# KiCad board GaussSpeedway.kicad_pcb (continued)
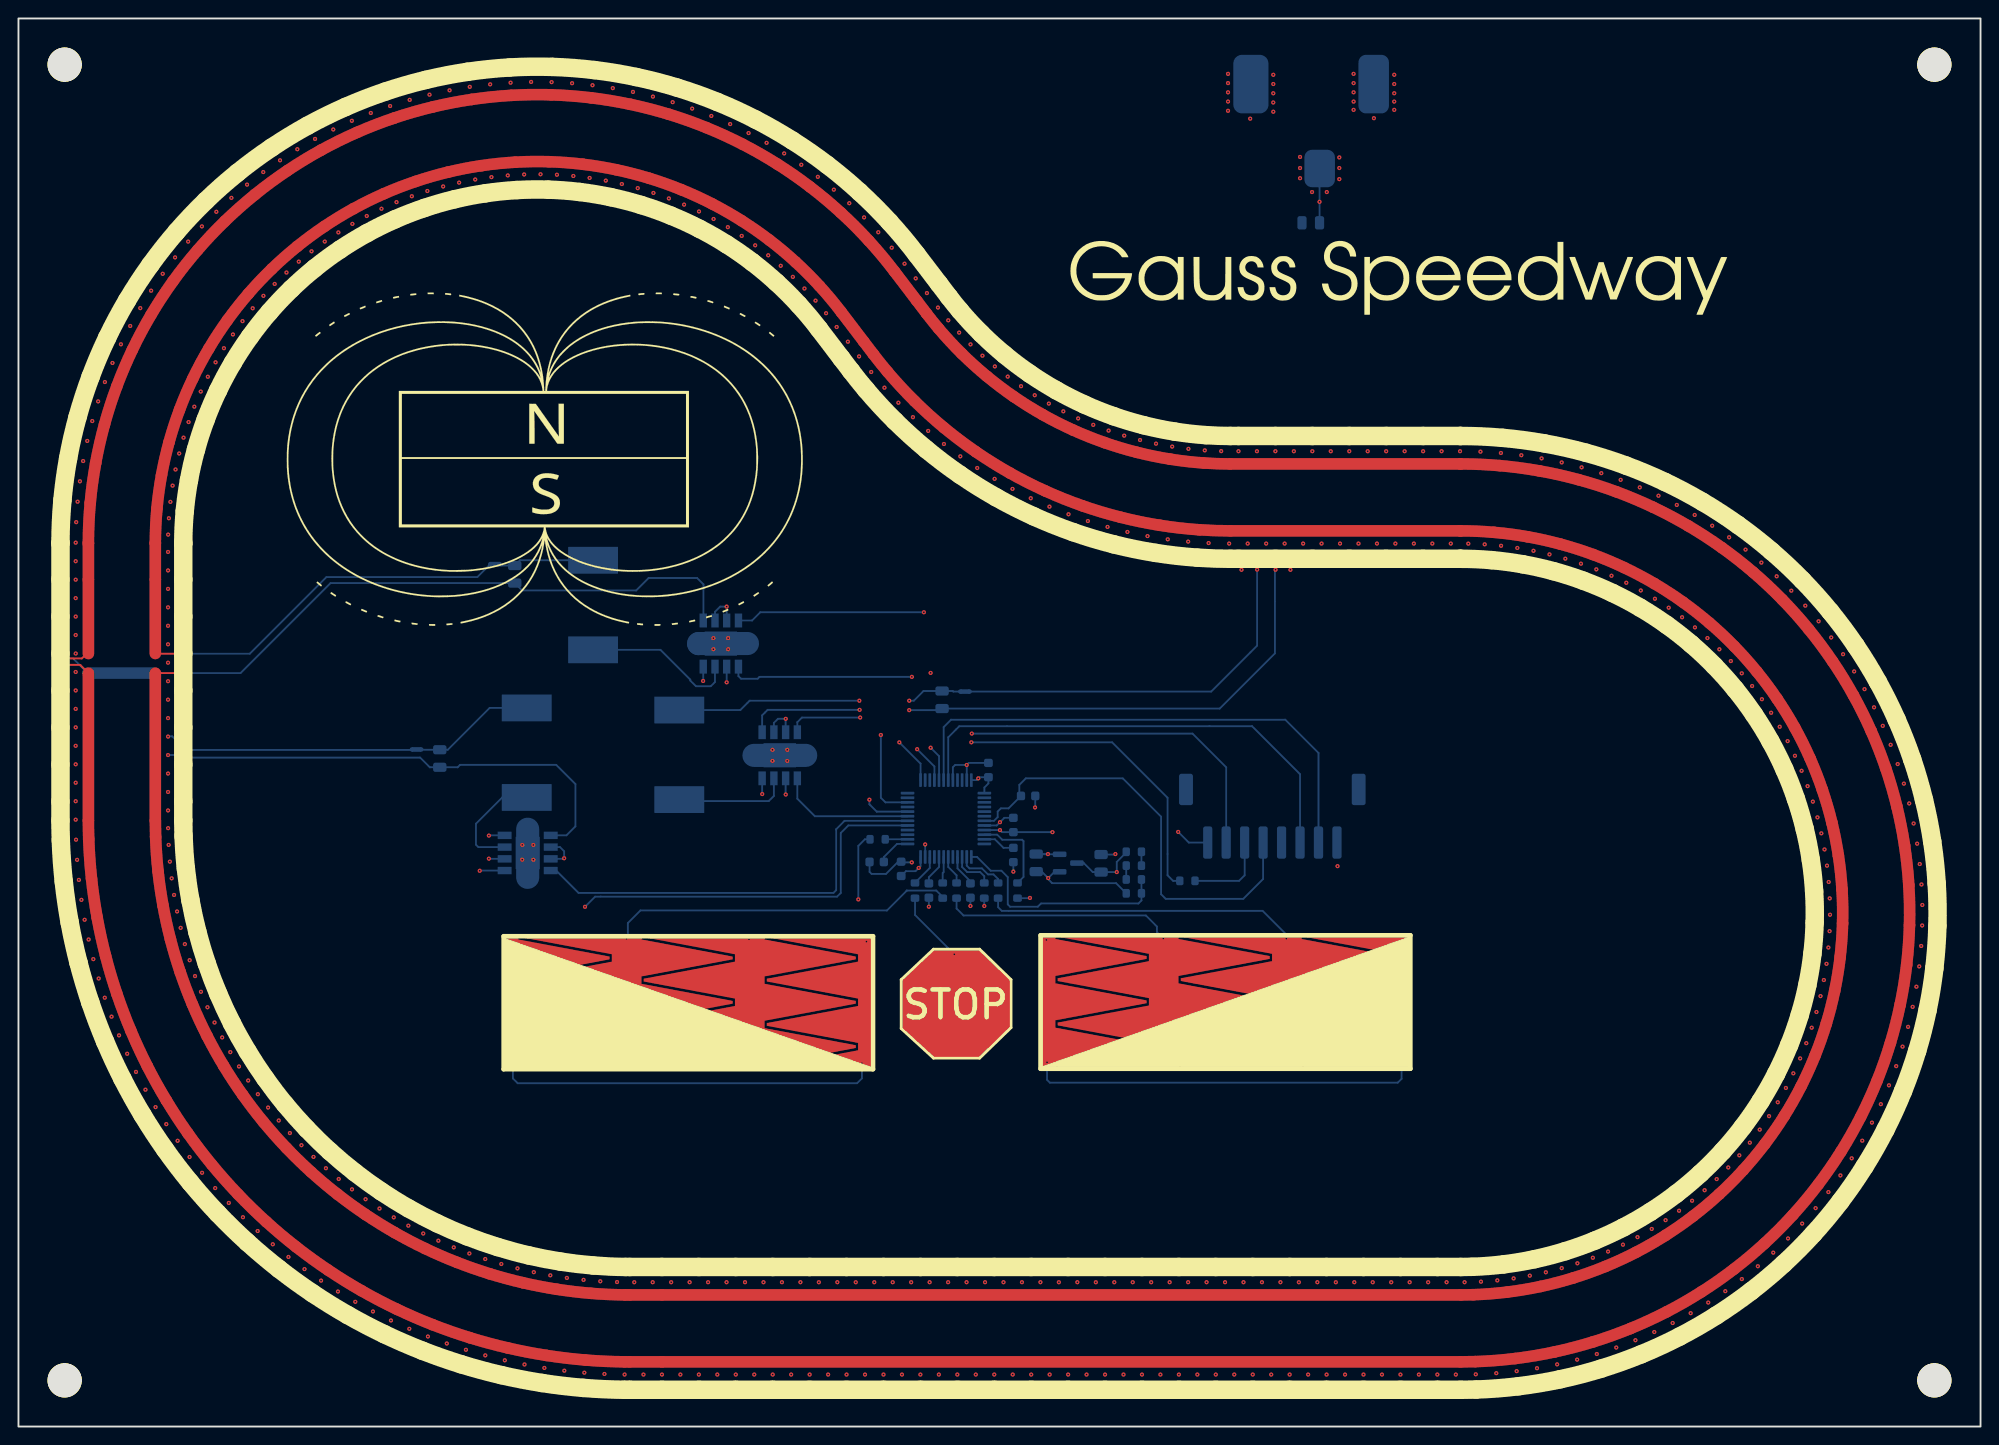
[diagram p0: board, top side]
## Routing (per net, layer and track width the routed paths; a pad name or vN(x,y) marks a point on that pad's centre or on a via; arc(x,y) is an arc through that point) (continued)
  In2.Cu w0.45: v1(115.68,5.63) v1(117.68,5.63) ; v1(139.67,5.63) v1(141.67,5.63) ; v1(123.68,5.63) v1(125.68,5.63) ; v1(87.69,5.63) v1(89.69,5.63) ; v1(143.67,5.63) v1(145.67,5.63) ; v1(154.13,105.63) v1(152.13,105.63) ; v1(134.13,105.63) v1(132.13,105.63) ; 119.68,5.63 121.68,5.63 ; v1(103.68,5.63) v1(105.68,5.63) ; v1(97.18,124.35) 95.97,125.94 ; v1(135.68,5.63) 137.67,5.63 ; v1(131.68,5.63) v1(133.68,5.63) ; v1(79.69,5.63) 81.69,5.63 ; v1(75.69,5.63) v1(77.69,5.63) ; v1(142.13,105.63) 140.13,105.63 ; v1(107.68,5.63) 109.68,5.63 ; v1(6.2,93.72) v1(6.2,91.72) ; v1(6.2,85.72) v1(6.2,83.72) ; v1(150.13,105.63) 148.13,105.63 ; v1(111.68,5.63) v1(113.68,5.63) ; 147.67,5.63 149.67,5.63 ; v1(138.13,105.63) v1(136.13,105.63) ; v1(98.39,122.76) 99.44,121.38 arc(99.64,121.12) v1(99.58,121.19) ; v1(6.2,69.73) v1(6.2,67.73) ; v1(6.2,81.72) 6.2,79.72 ; 71.69,5.63 73.69,5.63 ; 6.2,89.72 6.2,87.72 ; v1(6.2,65.73) 6.2,65.63 arc(6.21,64.5) v1(6.23,63.55) ; 127.68,5.63 129.68,5.63 ; v1(156.13,105.63) 156.2,105.63 arc(156.91,105.62) v1(158.34,105.58) ; 99.68,5.63 101.68,5.63 ; v1(151.67,5.63) v1(153.67,5.63) ; v1(155.67,5.63) 156.2,5.63 arc(157.11,5.64) v1(157.83,5.66) ; v1(95.68,5.63) v1(97.68,5.63) ; v1(83.69,5.63) v1(85.69,5.63) ; v1(6.2,73.72) 6.2,71.73 ; v1(146.13,105.63) v1(144.13,105.63) ; v1(6.2,77.72) v1(6.2,75.72) ; v1(67.69,5.63) v1(69.69,5.63) ; 91.68,5.63 93.68,5.63 ; 13.75,36.48 arc(14.44,35.28) 14.85,34.6 ; v1(34.6,14.62) arc(35.79,13.91) v1(36.48,13.51) ; v1(55.52,145.63) arc(54.04,145.58) 53.3,145.55 ; v1(184.86,14.66) arc(186.06,15.52) 186.65,15.97 ; v1(197.33,27.19) arc(198.15,28.42) v1(198.55,29.05) ; v1(177.16,10.24) arc(178.49,10.88) 179.16,11.21 ; 10.08,44.39 arc(10.59,43.1) v1(10.89,42.37) ; 46.69,144.72 arc(45.24,144.42) 44.52,144.25 ; v1(130.26,105.64) arc(129.58,105.66) v1(128.48,105.73) ; v1(38.16,142.26) arc(36.79,141.71) v1(36.11,141.42) ; v1(194.64,23.66) arc(195.57,24.81) v1(196.02,25.4) ; v1(173.05,8.56) arc(174.43,9.07) 175.12,9.35 ; 91.58,130.95 arc(90.53,131.98) v1(89.98,132.49) ; v1(188.38,17.36) arc(189.5,18.33) 190.05,18.83 ; v1(6.35,61.38) arc(6.46,59.99) 6.54,59.2 ; v1(59.12,6.05) arc(60.49,5.9) 61.29,5.83 ; 7.45,106.75 arc(7.14,105.3) v1(7,104.57) ; v1(8.69,48.52) arc(9.1,47.2) 9.35,46.45 ; v1(59.96,145.49) arc(58.49,145.58) 57.74,145.61 ; 110.07,111.7 arc(109.57,112.01) 108.58,112.67 ; v1(191.65,20.37) arc(192.68,21.43) 193.18,21.98 ; v1(175.59,101.72) arc(174.22,102.27) v1(173.53,102.53) ; 107.14,113.71 arc(106.67,114.07) 105.75,114.81 ; v1(164.46,6.32) arc(165.91,6.58) v1(166.64,6.73) ; v1(181.11,12.28) arc(182.38,13.03) 183.01,13.43 ; v1(46.39,8.99) arc(47.7,8.55) v1(48.46,8.31) ; v1(72.96,142.74) arc(71.56,143.21) 70.85,143.43 ; 119.76,107.32 arc(119.19,107.49) v1(118.07,107.87) ; v1(179.61,99.81) arc(178.29,100.48) v1(177.62,100.81) ; 77.08,141.06 arc(75.73,141.66) v1(75.04,141.94) ; v1(113.16,109.95) arc(112.64,110.22) 111.6,110.79 ; v1(183.44,97.56) arc(182.18,98.35) 181.55,98.73 ; v1(34.09,140.48) arc(32.78,139.81) v1(32.12,139.45) ; v1(38.39,12.46) arc(39.63,11.83) v1(40.34,11.49) ; 198.82,81.78 arc(198.02,83.03) 197.61,83.65 ; 6.82,57.04 arc(7.03,55.67) v1(7.17,54.89) ; v1(64.37,144.96) arc(62.91,145.18) v1(62.17,145.27) ; 123.2,106.45 arc(122.63,106.57) v1(121.47,106.84) ; v1(88.31,133.96) arc(87.16,134.89) 86.58,135.34 ; v1(42.33,10.58) arc(43.61,10.05) 44.34,9.75 ; v1(7.6,52.75) arc(7.91,51.4) v1(8.1,50.63) ; 16.01,32.75 arc(16.78,31.6) v1(17.24,30.95) ; v1(63.46,5.69) arc(64.85,5.65) v1(65.64,5.63) ; v1(104.4,115.98) arc(103.97,116.38) v1(103.11,117.2) ; 205.25,65.31 arc(204.94,66.76) v1(204.77,67.48) ; 10.18,115.19 arc(9.62,113.82) 9.36,113.13 ; v1(196.33,85.46) arc(195.43,86.63) 194.96,87.21 ; v1(16.96,126.62) arc(16.06,125.45) v1(15.62,124.85) ; v1(18.53,29.19) arc(19.38,28.1) 19.89,27.48 ; v1(187.05,94.98) arc(185.87,95.87) 185.27,96.31 ; v1(168.81,7.25) arc(170.23,7.64) 170.94,7.85 ; 167.14,104.42 arc(165.69,104.72) 164.96,104.86 ; v1(68.72,144.04) arc(67.28,144.39) 66.55,144.55 ; v1(11.77,40.37) arc(12.37,39.12) v1(12.73,38.41) ; 193.52,88.9 arc(192.52,89.99) 192.01,90.53 ; v1(30.98,17.05) arc(32.11,16.25) v1(32.77,15.8) ; v1(27.55,19.74) arc(28.62,18.86) 29.24,18.37 ; v1(8.63,111.03) arc(8.19,109.62) 7.99,108.9 ; v1(202.77,73.83) arc(202.21,75.2) v1(201.91,75.88) ; 24.31,22.67 arc(25.32,21.71) 25.9,21.17 ; 205.92,60.92 arc(205.74,62.39) 205.63,63.12 ; 51.09,145.37 arc(49.62,145.2) 48.88,145.09 ; v1(26.51,135.86) arc(25.34,134.97) 24.76,134.51 ; v1(199.69,30.96) arc(200.4,32.25) 200.74,32.91 ; v1(203.36,39.03) arc(203.83,40.43) v1(204.05,41.15) ; v1(50.56,7.7) arc(51.9,7.36) v1(52.67,7.17) ; v1(14.37,123.02) arc(13.57,121.77) 13.19,121.13 ; 23.06,133.07 arc(21.97,132.08) 21.43,131.56 ; v1(42.37,143.68) arc(40.96,143.25) 40.25,143.02 ; v1(12.1,119.2) arc(11.42,117.88) 11.1,117.21 ; v1(6.66,102.37) arc(6.48,100.91) 6.4,100.17 ; 205.56,47.63 arc(205.77,49.1) 205.86,49.83 ; v1(200.97,77.89) arc(200.29,79.21) v1(199.93,79.86) ; 30.2,138.34 arc(28.95,137.55) 28.33,137.14 ; 201.7,34.91 arc(202.3,36.27) v1(202.58,36.96) ; 94.58,127.67 arc(93.62,128.79) v1(93.12,129.35) ; v1(126.71,105.89) arc(126.13,105.96) 124.95,106.13 ; v1(21.3,25.83) arc(22.23,24.8) v1(22.78,24.22) ; 19.87,129.98 arc(18.87,128.89) 18.38,128.33 ; 84.78,136.65 arc(83.56,137.48) v1(82.93,137.88) ; 54.81,6.72 arc(56.17,6.47) v1(56.96,6.35) ; v1(204.65,43.29) arc(204.99,44.72) 205.15,45.45 ; v1(171.43,103.25) arc(170.01,103.68) 169.3,103.88 ; v1(206.19,56.49) arc(206.14,57.96) v1(206.1,58.71) ; v1(160.05,5.78) arc(161.52,5.91) 162.26,6 ; 204.2,69.63 arc(203.76,71.04) 203.53,71.75 ; 81.03,139.03 arc(79.73,139.74) v1(79.07,140.09) ; 206.07,52.05 arc(206.15,53.52) v1(206.18,54.27) ; v1(190.42,92.08) arc(189.33,93.08) v1(188.77,93.57) ; v1(101.88,118.48) arc(101.48,118.91) v1(100.7,119.81) ; v1(162.77,105.2) arc(161.3,105.37) 160.56,105.44 ; v1(116.4,108.49) arc(115.86,108.71) v1(114.77,109.18) ; v1(6.25,97.95) arc(6.21,96.47) v1(6.2,95.73)
  Bottom w0.2: v1(134.15,92.8) 134.15,84.57 129.18,79.6 NT1.2 ; v1(96.47,77.59) 99.86,77.59 C8.1 130.1,77.76 136.08,83.74 136.08,92.73 v1(136.15,92.8) ; U5.1 80.54,77.03 81.14,77.62 v1(91.1,77.62)
  vias: v1(6.2,87.72) v1(6.2,79.72) v1(6.2,71.72) v1(6.4,100.17) v1(6.54,59.2) v1(7.99,108.9) v1(9.35,46.44) v1(9.36,113.12) v1(11.1,117.21) v1(13.19,121.13) v1(14.85,34.6) v1(18.38,128.33) v1(19.89,27.48) v1(21.43,131.56) v1(24.75,134.51) v1(25.9,21.17) v1(28.33,137.14) v1(29.24,18.36) v1(40.25,143.02) v1(44.35,9.75) v1(44.52,144.25) v1(48.88,145.09) v1(53.3,145.55) v1(57.74,145.61) v1(61.29,5.83) v1(66.55,144.55) v1(70.85,143.43) v1(73.69,5.63) v1(81.69,5.63) v1(86.57,135.35) v1(93.69,5.63) v1(95.96,125.94) v1(101.68,5.63) v1(105.75,114.82) v1(108.58,112.67) v1(109.68,5.63) v1(111.6,110.79) v1(121.68,5.63) v1(124.95,106.13) v1(129.68,5.63) v1(137.68,5.63) v1(140.13,105.63) v1(148.13,105.63) v1(149.67,5.63) v1(160.56,105.44) v1(162.26,6) v1(164.96,104.86) v1(169.29,103.88) v1(170.94,7.85) v1(175.13,9.35) v1(179.16,11.21) v1(181.55,98.73) v1(183.01,13.43) v1(185.27,96.31) v1(186.65,15.97) v1(190.05,18.83) v1(192,90.53) v1(193.18,21.98) v1(194.96,87.21) v1(197.61,83.65) v1(200.74,32.91) v1(203.53,71.75) v1(205.15,45.45) v1(205.63,63.13) v1(205.86,49.84)
/1B_N: length 12.2
  Bottom w0.2: L2.1 52.39,68.13 49.55,65.29 49.55,63.01 49.81,62.75 U3.7
/1B_P: length 3456
  In1.Cu w0.3: 5.55,82.73 16.2,82.73
  In1.Cu w0.45: v1(160.57,95.39) 161.73,105.98 arc(160.69,106.08) 160.61,106.09 arc(159.98,106.14) 159.49,106.17 v1(158.8,95.55) ; v1(179.85,23.37) 186.15,14.78 ; v1(109.64,100.54) 114.24,110.15 arc(114.69,109.94) 115.03,109.78 arc(115.79,109.44) 115.84,109.43 ; v1(194.84,65.97) 205.13,68.73 arc(205.25,68.25) 205.4,67.64 arc(205.42,67.57) 205.66,66.54 v1(195.26,64.25) ; v1(191.42,36.67) 200.8,31.62 ; v1(87.47,120.58) 95.79,127.22 arc(96.1,126.83) 96.48,126.33 97.09,125.54 v1(88.62,119.08) ; v1(167.53,93.99) 170.55,104.2 arc(169.54,104.49) 169.47,104.51 arc(168.85,104.67) 168.38,104.79 v1(165.82,94.46) ; v1(44.29,133.81) 41.11,143.98 arc(40.11,143.66) 40.04,143.63 arc(39.44,143.43) 38.98,143.26 v1(42.6,133.25) ; v1(94.68,15.63) 94.68,4.98 92.68,4.98 ; v1(63.61,134.94) 65.58,145.4 arc(66.07,145.31) 66.69,145.18 arc(66.76,145.17) 67.79,144.94 v1(65.35,134.57) ; v1(49.47,135.06) 47.67,145.56 arc(48.16,145.64) 48.79,145.73 arc(48.86,145.75) 49.9,145.89 v1(51.22,135.32) ; v1(156.62,15.63) 156.73,4.98 arc(157.43,4.99) 157.86,5.01 arc(158.49,5.03) 158.98,5.06 v1(158.39,15.69) ; v1(110.68,15.63) 110.68,4.98 108.68,4.98 v1(108.68,15.63) ; v1(193.12,71.02) 202.95,75.11 arc(202.54,76.08) 202.51,76.15 arc(202.25,76.72) 202.04,77.17 v1(192.4,72.64) ; v1(195.87,60.75) 206.43,62.11 arc(206.29,63.15) 206.28,63.22 arc(206.18,63.85) 206.1,64.33 v1(195.6,62.5) ; v1(196.17,57.2) 206.81,57.62 arc(206.76,58.67) 206.75,58.75 arc(206.71,59.38) 206.67,59.87 v1(196.06,58.98) ; v1(16.21,64.81) 5.56,64.63 arc(5.57,63.92) 5.58,63.53 arc(5.61,62.92) 5.63,62.43 v1(16.27,62.99) ; v1(191.61,74.23) 201.04,79.19 arc(200.54,80.11) 200.5,80.18 arc(200.19,80.73) 199.95,81.15 ; 98.3,123.95 99.51,122.36 v1(91.04,115.9) ; v1(184.22,84.18) 191.68,91.78 arc(192.03,91.43) 192.47,90.98 arc(192.52,90.93) 193.25,90.17 ; v1(52.99,135.5) 52.14,146.12 arc(52.63,146.15) 53.26,146.19 arc(53.33,146.2) 54.39,146.25 v1(54.77,135.6) ; 98.3,123.95 v1(89.83,117.49) ; v1(126.68,95.84) 127.66,106.44 arc(128.15,106.4) 128.53,106.37 arc(129.25,106.33) 129.4,106.32 v1(128.9,95.69) ; v1(141.13,95.63) 141.13,106.28 139.13,106.28 v1(139.13,95.63) ; v1(29.4,31.78) 21.56,24.58 arc(22.2,23.89) 22.31,23.77 arc(22.73,23.33) 23.08,22.98 v1(30.65,30.47) ; v1(193.77,69.36) 203.77,73.02 arc(203.94,72.55) 204.15,71.96 arc(204.17,71.89) 204.5,70.89 ; v1(88.69,15.63) 88.69,4.98 90.68,4.98 ; v1(16.2,68.73) 5.55,68.73 5.55,66.73 v1(16.2,66.73) ; v1(150.67,15.63) 150.67,4.98 148.67,4.98 ; v1(175.71,90.55) 180.9,99.85 arc(181.33,99.61) 181.88,99.29 arc(181.94,99.25) 182.84,98.71 ; v1(31.74,127.28) 25.23,135.71 ; v1(78.69,15.63) 78.69,4.98 76.69,4.98 v1(76.69,15.63) ; v1(79.79,127.93) 86.07,136.53 arc(86.46,136.24) 86.97,135.86 arc(87.03,135.82) 87.86,135.17 v1(81.2,126.85) ; v1(16.2,74.72) 5.55,74.72 5.55,76.72 v1(16.2,76.72) ; v1(187.51,30.74) 195.85,24.11 ; v1(17.41,105.39) 7.08,107.98 arc(7.2,108.46) 7.36,109.07 arc(7.38,109.14) 7.68,110.15 ; v1(19.12,48.78) 9.09,45.2 arc(8.93,45.66) 8.73,46.24 arc(8.68,46.39) 8.39,47.29 v1(18.54,50.51) ; v1(96.68,15.63) 96.68,4.98 98.68,4.98 v1(98.68,15.63) ; v1(70.69,15.63) 70.69,4.98 68.69,4.98 v1(68.69,15.63) ; v1(18.43,108.79) 8.37,112.29 arc(8.53,112.76) 8.75,113.35 arc(8.78,113.42) 9.16,114.4 v1(19.05,110.46) ; v1(138.67,15.63) 138.67,4.98 136.68,4.98 v1(136.68,15.63) ; v1(16.59,59.37) 6.03,58.04 arc(5.97,58.53) 5.9,59.13 arc(5.88,59.29) 5.79,60.23 v1(16.4,61.18) ; v1(22.25,116.79) 13.22,122.42 arc(12.67,121.53) 12.63,121.46 arc(12.31,120.92) 12.07,120.49 v1(21.35,115.26) ; v1(30.36,126.16) 23.48,134.29 arc(23.86,134.61) 24.35,135.01 arc(24.4,135.06) 25.23,135.71 ; v1(135.13,95.63) 135.13,106.28 137.13,106.28 v1(137.13,95.63) ; v1(112.68,15.63) 112.68,4.98 114.68,4.98 v1(114.68,15.63) ; v1(39.32,131.89) 34.82,141.55 arc(35.27,141.75) 35.85,142.01 arc(35.91,142.04) 36.88,142.45 v1(40.94,132.61) ; v1(36.16,130.25) 30.83,139.47 arc(31.26,139.71) 31.81,140.02 arc(31.87,140.06) 32.8,140.55 ; v1(50.55,18.14) 47.22,8.03 arc(48.12,7.74) 48.27,7.69 arc(48.85,7.51) 49.33,7.37 v1(52.29,17.6) ; v1(174.13,91.38) 178.91,100.9 arc(177.97,101.36) 177.9,101.4 arc(177.33,101.66) 176.88,101.87 v1(172.53,92.14) ; v1(117.95,97.43) 120.78,107.7 arc(121.26,107.57) 121.63,107.47 arc(122.43,107.28) 122.48,107.27 ; v1(22.94,40.55) 13.73,35.21 arc(14.21,34.4) 14.29,34.26 arc(14.61,33.74) 14.87,33.32 v1(23.88,39) ; v1(29.03,124.99) 21.79,132.8 arc(21.03,132.08) 20.98,132.03 arc(20.52,131.59) 20.18,131.24 ; v1(37.59,24.62) 31.5,15.89 arc(32.28,15.35) 32.41,15.27 arc(32.91,14.93) 33.33,14.66 v1(39.1,23.61) ; v1(128.68,15.63) 128.68,4.98 ; v1(151.13,95.63) 151.13,106.28 153.13,106.28 v1(153.13,95.63) ; v1(16.2,94.72) 5.55,94.72 5.55,95.63 arc(5.55,95.67) 5.55,95.73 arc(5.55,95.8) 5.56,96.86 v1(16.21,96.6) ; v1(70.44,133.01) 74.24,142.96 arc(74.7,142.78) 75.28,142.55 arc(75.35,142.52) 76.32,142.11 ; v1(186.38,29.37) 194.41,22.38 arc(194.08,22.01) 193.66,21.54 arc(193.61,21.49) 192.9,20.72 ; v1(144.67,15.63) 144.67,4.98 146.67,4.98 ; v1(169.22,93.45) 172.69,103.52 arc(173.16,103.36) 173.75,103.14 arc(173.82,103.12) 174.8,102.74 ; v1(56.54,135.63) 56.64,146.28 arc(57.13,146.27) 57.76,146.26 arc(57.83,146.25) 58.89,146.21 v1(58.32,135.57) ; v1(86.33,121.94) 94.35,128.95 arc(93.65,129.73) 93.6,129.79 arc(93.17,130.25) 92.83,130.61 ; v1(167.14,17.16) 170.06,6.91 arc(171.06,7.21) 171.13,7.23 arc(171.74,7.42) 172.21,7.58 v1(168.84,17.68) ; v1(196.15,53.65) 206.79,53.12 arc(206.83,54.18) 206.83,54.25 arc(206.84,54.88) 206.85,55.37 v1(196.2,55.43) ; v1(116.68,15.63) 116.68,4.98 118.68,4.98 ; 163.46,5.5 v1(161.93,16.04) ; 197.51,84.94 v1(188.82,78.77) ; v1(17.88,107.1) 7.68,110.15 ; v1(84.69,15.63) 84.69,4.98 86.69,4.98 v1(86.69,15.63) ; v1(185.18,28.06) 192.9,20.72 ; v1(122.68,15.63) 122.68,4.98 120.68,4.98 ; 92.83,130.61 v1(85.13,123.25) ; v1(16.69,101.9) 6.18,103.58 arc(6.26,104.06) 6.36,104.68 arc(6.38,104.76) 6.58,105.79 v1(17.01,103.65) ; 29.71,17.18 v1(36.12,25.69) ; 5.55,90.72 5.55,92.72 v1(16.2,92.72) ; v1(131.12,95.63) 131.15,106.28 arc(131.21,106.28) 131.25,106.28 133.13,106.28 v1(133.13,95.63) ; v1(183.93,26.8) 191.31,19.12 arc(190.95,18.78) 190.49,18.35 arc(190.43,18.3) 189.65,17.6 v1(182.62,25.6) ; v1(187.76,80.2) 196.17,86.74 arc(195.51,87.57) 195.47,87.62 arc(195.06,88.11) 194.74,88.49 v1(186.64,81.58) ; 80.69,4.98 82.69,4.98 v1(82.69,15.63) ; v1(57.6,16.37) 55.77,5.88 arc(56.7,5.73) 56.86,5.7 arc(57.46,5.61) 57.95,5.54 v1(59.4,16.09) ; v1(188.59,32.16) 197.21,25.91 arc(196.92,25.51) 196.54,25 arc(196.49,24.94) 195.85,24.11 ; v1(190.54,35.12) 199.69,29.66 arc(199.43,29.24) 199.1,28.7 arc(199.06,28.64) 198.49,27.76 v1(189.6,33.62) ; 43.28,144.6 v1(45.99,134.31) ; 5.55,88.72 5.55,86.72 v1(16.2,86.72) ; v1(19.77,47.08) 9.87,43.13 arc(10.23,42.26) 10.29,42.11 arc(10.53,41.56) 10.73,41.1 v1(20.47,45.41) ; v1(34.65,129.33) 28.91,138.3 ; v1(100.23,106.41) 106.84,114.77 ; v1(33.17,128.34) 27.04,137.04 arc(27.44,137.33) 27.97,137.68 arc(28.03,137.72) 28.91,138.3 ; v1(72.69,15.63) 72.69,4.98 ; v1(16.2,72.72) 5.55,72.72 5.55,70.73 v1(16.2,70.73) ; v1(25.37,121.11) 17.16,127.9 arc(17.47,128.28) 17.89,128.76 arc(17.93,128.81) 18.63,129.6 v1(26.53,122.46) ; 72.69,4.98 74.69,4.98 v1(74.69,15.63) ; v1(24.88,37.47) 16.08,31.48 arc(16.62,30.7) 16.71,30.57 arc(17.06,30.08) 17.35,29.68 v1(25.93,35.99) ; v1(173.77,19.7) 178.45,10.13 arc(179.39,10.6) 179.46,10.64 arc(180.02,10.93) 180.45,11.16 v1(175.35,20.51) ; 199.95,81.15 v1(190.75,75.79) ; v1(152.67,15.63) 152.67,4.98 154.67,4.98 v1(154.67,15.63) ; v1(181.57,86.55) 188.33,94.78 arc(188.71,94.47) 189.19,94.06 arc(189.25,94.01) 190.04,93.32 ; v1(64.83,15.65) 64.54,5 arc(65.48,4.98) 65.64,4.98 arc(65.95,4.98) 66.2,4.98 66.69,4.98 v1(66.69,15.63) ; v1(16.45,100.14) 5.87,101.34 ; v1(160.17,15.83) 161.22,5.23 arc(162.27,5.35) 162.34,5.35 arc(162.97,5.43) 163.46,5.5 ; v1(194.34,67.68) 204.5,70.89 ; v1(48.84,18.74) 45.14,8.75 arc(44.68,8.93) 44.11,9.15 arc(43.96,9.2) 43.09,9.56 v1(47.14,19.4) ; v1(182.92,85.39) 190.04,93.32 ; v1(27.03,34.55) 18.69,27.93 arc(19.28,27.19) 19.38,27.07 arc(19.77,26.6) 20.09,26.23 ; 7.76,49.4 v1(18.02,52.25) ; v1(170.51,18.28) 174.32,8.33 arc(175.3,8.72) 175.37,8.75 arc(175.96,8.99) 176.41,9.19 v1(172.16,18.95) ; v1(195.17,46.62) 205.55,44.22 ; v1(143.13,95.63) 143.13,106.28 145.13,106.28 v1(145.13,95.63) ; v1(60.09,135.44) 61.13,146.04 arc(61.62,145.99) 62.25,145.92 arc(62.32,145.91) 63.36,145.77 v1(61.86,135.23) ; 100.68,4.98 102.68,4.98 v1(102.68,15.63) ; v1(21.24,43.76) 11.66,39.1 arc(12.08,38.26) 12.15,38.12 arc(12.43,37.57) 12.66,37.14 ; v1(42.23,21.75) 37.12,12.41 arc(36.69,12.64) 36.16,12.94 arc(36.02,13.02) 35.2,13.5 v1(40.65,22.65) ; v1(16.2,78.72) 5.55,78.72 5.55,80.72 ; 149.13,106.28 147.13,106.28 v1(147.13,95.63) ; v1(95.3,110.88) 102.96,118.28 arc(103.3,117.93) 103.57,117.66 arc(104.16,117.09) 104.2,117.05 v1(96.88,109.32) ; v1(16.29,98.37) 5.67,99.1 arc(5.7,99.6) 5.76,100.23 arc(5.76,100.3) 5.87,101.35 ; v1(120.1,96.89) 122.48,107.27 ; v1(113.73,98.8) 117.46,108.78 arc(117.92,108.61) 118.28,108.48 arc(119.06,108.22) 119.11,108.2 ; v1(92.69,15.63) 92.69,4.98 ; v1(78.33,128.95) 84.22,137.82 arc(83.34,138.39) 83.28,138.43 arc(82.74,138.77) 82.32,139.02 v1(76.83,129.9) ; v1(37.72,131.11) 32.8,140.55 ; v1(155.13,95.63) 155.13,106.28 156.2,106.28 arc(156.24,106.28) 157.24,106.27 v1(157.02,95.62) ; v1(82.56,125.71) 89.58,133.72 arc(89.95,133.4) 90.42,132.97 arc(90.47,132.92) 91.24,132.2 v1(83.87,124.51) ; v1(140.67,15.63) 140.67,4.98 142.67,4.98 v1(142.67,15.63) ; v1(194.73,44.9) 204.99,42.04 arc(204.86,41.56) 204.68,40.96 arc(204.66,40.89) 204.34,39.88 v1(194.22,43.2) ; v1(192.23,38.25) 201.82,33.63 arc(201.6,33.18) 201.32,32.62 arc(201.29,32.55) 200.8,31.62 ; v1(17.57,54.01) 7.21,51.53 arc(7.44,50.62) 7.48,50.46 arc(7.63,49.88) 7.76,49.4 ; v1(73.7,131.6) 78.37,141.17 arc(78.81,140.95) 79.37,140.67 arc(79.44,140.63) 80.37,140.14 ; v1(34.69,26.81) 27.98,18.54 arc(28.71,17.95) 28.84,17.85 arc(29.32,17.48) 29.71,17.18 ; v1(124.68,15.63) 124.68,4.98 126.68,4.98 v1(126.68,15.63) ; v1(20.51,113.69) 11.01,118.5 arc(10.54,117.56) 10.51,117.49 arc(10.24,116.92) 10.04,116.47 v1(19.74,112.09) ; v1(103.84,103.81) 109.68,112.72 ; 20.09,26.23 v1(28.19,33.14) ; 12.66,37.14 v1(22.06,42.14) ; v1(17.18,55.78) 6.74,53.69 arc(6.64,54.17) 6.53,54.77 arc(6.5,54.93) 6.34,55.86 v1(16.85,57.57) ; v1(178.73,88.68) 184.73,97.48 arc(185.13,97.2) 185.65,96.84 arc(185.71,96.8) 186.56,96.17 ; 128.68,4.98 130.68,4.98 v1(130.68,15.63) ; v1(67.07,134.12) 69.96,144.37 arc(70.44,144.24) 71.04,144.06 arc(71.11,144.03) 72.12,143.71 v1(68.77,133.6) ; v1(120.68,15.63) 120.68,4.98 ; v1(193.63,41.52) 203.59,37.76 arc(203.42,37.3) 203.18,36.71 arc(203.16,36.65) 202.75,35.67 v1(192.96,39.87) ; v1(33.3,27.98) 26.29,19.96 arc(25.92,20.29) 25.47,20.69 arc(25.35,20.8) 24.66,21.44 ; v1(196.02,51.88) 206.63,50.88 arc(206.58,50.39) 206.51,49.76 arc(206.5,49.69) 206.36,48.64 v1(195.82,50.11) ; v1(54.04,17.13) 51.46,6.8 ; v1(92.36,114.21) 100.64,120.9 arc(100.95,120.52) 101.2,120.23 arc(101.74,119.6) 101.77,119.57 v1(93.79,112.51) ; v1(105.72,102.64) 111.16,111.8 arc(111.58,111.55) 111.92,111.36 arc(112.64,110.96) 112.68,110.94 v1(107.66,101.55) ; v1(195.53,48.36) 206,46.42 arc(205.91,45.94) 205.79,45.32 arc(205.77,45.25) 205.55,44.22 ; v1(16.2,80.72) 5.55,80.72 ; v1(164.08,94.85) 166.18,105.29 arc(165.15,105.48) 165.08,105.5 arc(164.45,105.6) 163.97,105.68 ; v1(61.2,15.88) 60.14,5.28 arc(61.08,5.2) 61.23,5.18 arc(61.84,5.14) 62.33,5.1 v1(63.01,15.73) ; v1(75.28,130.78) 80.37,140.14 ; v1(31.95,29.2) 24.66,21.44 ; v1(45.48,20.13) 41.06,10.43 arc(40.61,10.64) 40.06,10.9 arc(39.92,10.97) 39.07,11.38 ; v1(47.72,134.72) 45.46,145.13 ; v1(149.13,95.63) 149.13,106.28 ; v1(16.2,84.72) 5.55,84.72 5.55,82.72 v1(16.2,82.72) ; 118.68,4.98 v1(118.68,15.63) ; v1(134.68,15.63) 134.68,4.98 132.68,4.98 v1(132.68,15.63) ; v1(80.69,15.63) 80.69,4.98 ; v1(102.01,105.07) 108.24,113.71 arc(108.64,113.43) 108.95,113.21 arc(109.64,112.75) 109.68,112.72 ; 146.67,4.98 v1(146.67,15.63) ; v1(181.26,24.45) 187.93,16.15 arc(187.54,15.84) 187.04,15.46 arc(186.99,15.41) 186.14,14.78 ; v1(72.09,132.34) 76.32,142.11 ; v1(178.39,22.35) 184.3,13.49 arc(183.89,13.22) 183.36,12.88 arc(183.3,12.84) 182.4,12.28 ; v1(111.66,99.63) 115.83,109.43 ; v1(148.67,15.63) 148.67,4.98 ; v1(124.47,96.09) 125.92,106.64 arc(125.87,106.65) 125.05,106.77 arc(124.68,106.83) 124.19,106.92 v1(122.28,96.44) ; v1(177.24,89.65) 182.84,98.71 ; v1(100.68,15.63) 100.68,4.98 ; 5.55,90.72 v1(16.2,90.72) ; v1(104.68,15.63) 104.68,4.98 106.68,4.98 v1(106.68,15.63) ; v1(43.84,20.91) 39.07,11.38 ; v1(16.2,88.72) 5.55,88.72 ; v1(189.82,77.3) 198.77,83.07 arc(198.19,83.95) 198.15,84.01 arc(197.79,84.53) 197.51,84.94 ; 90.69,4.98 v1(90.69,15.63) ; v1(185.46,82.91) 193.25,90.17 ; v1(23.23,118.28) 14.45,124.31 arc(14.73,124.71) 15.1,125.23 arc(15.14,125.29) 15.76,126.13 v1(24.27,119.72) ; 53.6,6.3 v1(55.81,16.72) ; v1(115.82,98.07) 119.11,108.2 ; v1(176.89,21.4) 182.4,12.28 ; 163.96,105.68 v1(162.33,95.16) ; v1(165.42,16.71) 167.88,6.34 arc(167.4,6.23) 166.78,6.1 arc(166.71,6.08) 165.68,5.87 ; v1(163.68,16.34) 165.68,5.87 ; v1(170.89,92.83) 174.8,102.74 ; 20.18,131.24 v1(27.75,123.75) ; v1(180.17,87.65) 186.56,96.17 ; v1(98.52,107.83) 105.49,115.88 arc(105.87,115.56) 106.16,115.32 arc(106.8,114.8) 106.84,114.77 ; 45.47,145.13 arc(44.44,144.9) 44.37,144.88 arc(43.75,144.73) 43.28,144.6 ; 51.45,6.8 arc(52.37,6.58) 52.53,6.54 arc(53.12,6.41) 53.6,6.3
  In2.Cu w0.45: v1(74.69,15.63) v1(76.69,15.63) ; v1(16.2,82.72) 16.2,80.72 ; v1(98.68,15.63) 100.68,15.63 ; 90.68,15.63 92.68,15.63 ; v1(150.67,15.63) v1(152.67,15.63) ; v1(16.2,70.73) v1(16.2,68.73) ; v1(134.68,15.63) v1(136.68,15.63) ; v1(89.83,117.49) v1(88.62,119.08) ; v1(91.04,115.9) 91.48,115.32 arc(91.79,114.92) v1(92.36,114.21) ; v1(147.13,95.63) v1(145.13,95.63) ; v1(16.2,78.72) v1(16.2,76.72) ; v1(138.67,15.63) v1(140.67,15.63) ; v1(16.2,86.72) v1(16.2,84.72) ; v1(142.67,15.63) v1(144.67,15.63) ; v1(16.2,94.72) v1(16.2,92.72) ; v1(66.69,15.63) v1(68.69,15.63) ; v1(78.69,15.63) 80.69,15.63 ; v1(143.13,95.63) v1(141.13,95.63) ; v1(139.13,95.63) v1(137.13,95.63) ; v1(155.13,95.63) v1(153.13,95.63) ; v1(130.68,15.63) v1(132.68,15.63) ; v1(16.2,66.73) 16.2,65.63 arc(16.2,65.26) v1(16.21,64.81) ; v1(70.69,15.63) 72.69,15.63 ; v1(126.68,15.63) 128.68,15.63 ; v1(106.68,15.63) v1(108.68,15.63) ; v1(102.68,15.63) v1(104.68,15.63) ; v1(82.69,15.63) v1(84.69,15.63) ; 16.2,90.72 16.2,88.72 ; 146.67,15.63 148.67,15.63 ; v1(122.68,15.63) v1(124.68,15.63) ; v1(154.67,15.63) 156.2,15.63 arc(156.39,15.63) v1(156.62,15.63) ; v1(135.13,95.63) v1(133.13,95.63) ; 118.68,15.63 120.68,15.63 ; v1(110.68,15.63) v1(112.68,15.63) ; v1(94.68,15.63) v1(96.68,15.63) ; v1(114.68,15.63) v1(116.68,15.63) ; v1(86.69,15.63) v1(88.69,15.63) ; v1(151.13,95.63) 149.13,95.63 ; v1(183.93,26.8) arc(184.42,27.28) 185.18,28.06 ; v1(45.48,20.13) arc(46.15,19.82) 47.14,19.4 ; v1(190.54,35.12) arc(190.89,35.72) 191.42,36.67 ; v1(36.16,130.25) arc(35.57,129.9) v1(34.65,129.33) ; v1(79.79,127.93) arc(79.23,128.34) v1(78.33,128.95) ; 175.71,90.55 arc(175.1,90.88) 174.14,91.38 ; v1(22.06,42.14) arc(22.41,41.49) v1(22.94,40.55) ; v1(39.32,131.89) arc(38.69,131.6) 37.72,131.11 ; v1(162.33,95.16) arc(161.65,95.26) v1(160.57,95.39) ; v1(60.09,135.44) arc(59.41,135.5) v1(58.32,135.57) ; 28.19,33.15 arc(28.68,32.58) 29.39,31.78 ; v1(48.84,18.74) arc(49.54,18.49) 50.55,18.14 ; v1(18.43,108.79) arc(18.2,108.14) v1(17.88,107.1) ; v1(194.84,65.97) arc(194.65,66.64) 194.34,67.68 ; v1(39.1,23.61) arc(39.73,23.21) v1(40.65,22.65) ; v1(33.17,128.34) arc(32.61,127.93) v1(31.74,127.28) ; v1(186.64,81.58) arc(186.19,82.1) 185.46,82.9 ; 175.35,20.51 arc(175.95,20.85) v1(176.89,21.4) ; v1(19.74,112.09) arc(19.46,111.46) v1(19.05,110.46) ; v1(82.56,125.71) arc(82.04,126.16) v1(81.2,126.85) ; v1(19.12,48.78) arc(19.38,48.09) 19.76,47.08 ; v1(17.41,105.39) arc(17.24,104.72) 17.01,103.65 ; v1(45.99,134.31) arc(45.33,134.12) v1(44.29,133.81) ; v1(87.47,120.58) arc(87.03,121.11) v1(86.33,121.94) ; v1(165.82,94.46) arc(165.14,94.62) v1(164.08,94.85) ; v1(18.02,52.25) arc(18.23,51.53) v1(18.54,50.51) ; v1(195.6,62.5) arc(195.48,63.18) v1(195.26,64.25) ; v1(16.69,101.9) arc(16.59,101.22) v1(16.45,100.14) ; v1(25.37,121.11) arc(24.93,120.58) v1(24.27,119.72) ; v1(67.07,134.12) arc(66.4,134.31) v1(65.35,134.57) ; v1(184.22,84.18) arc(183.72,84.66) 182.92,85.39 ; v1(158.8,95.55) arc(158.11,95.58) v1(157.02,95.62) ; v1(188.82,78.77) arc(188.42,79.33) v1(187.76,80.2) ; v1(21.35,115.26) arc(21.01,114.66) v1(20.51,113.69) ; v1(196.2,55.43) arc(196.2,56.12) v1(196.17,57.2) ; v1(188.59,32.16) arc(188.99,32.72) v1(189.6,33.62) ; v1(16.29,98.37) arc(16.25,97.68) v1(16.21,96.6) ; v1(196.06,58.98) arc(195.99,59.67) v1(195.87,60.75) ; v1(95.3,110.88) arc(94.37,111.87) v1(93.79,112.51) ; v1(85.13,123.25) arc(84.65,123.75) v1(83.87,124.51) ; v1(36.12,25.69) arc(36.72,25.25) v1(37.59,24.62) ; v1(16.59,59.37) arc(16.69,58.64) v1(16.85,57.57) ; v1(30.65,30.47) arc(31.18,29.95) 31.95,29.2 ; 59.4,16.1 arc(60.13,16) v1(61.2,15.88) ; v1(178.73,88.68) arc(178.15,89.07) v1(177.24,89.65) ; v1(102.01,105.07) arc(100.92,105.88) 100.24,106.41 ; v1(73.7,131.6) arc(73.08,131.89) v1(72.09,132.34) ; 122.28,96.44 arc(120.95,96.7) 120.11,96.89 ; v1(190.75,75.79) arc(190.4,76.38) v1(189.82,77.3) ; v1(23.23,118.28) arc(22.84,117.71) v1(22.25,116.79) ; v1(16.27,62.99) arc(16.31,62.25) 16.4,61.18 ; v1(161.93,16.04) arc(162.61,16.15) v1(163.68,16.34) ; v1(168.84,17.68) arc(169.49,17.9) 170.51,18.28 ; v1(186.38,29.37) arc(186.82,29.9) v1(187.51,30.74) ; v1(172.53,92.14) arc(171.9,92.42) 170.89,92.83 ; v1(195.53,48.36) arc(195.65,49.04) 195.82,50.11 ; v1(105.72,102.64) arc(104.57,103.35) v1(103.84,103.81) ; v1(63.61,134.94) arc(62.93,135.06) 61.86,135.23 ; v1(98.52,107.83) arc(97.51,108.73) v1(96.88,109.32) ; v1(49.47,135.06) arc(48.79,134.94) v1(47.72,134.72) ; v1(76.83,129.9) arc(76.23,130.25) 75.29,130.78 ; v1(25.93,35.99) arc(26.37,35.4) v1(27.03,34.55) ; 20.47,45.41 arc(20.78,44.73) 21.23,43.76 ; v1(42.23,21.75) arc(42.88,21.4) v1(43.84,20.91) ; v1(158.39,15.69) arc(159.08,15.73) 160.17,15.83 ; 52.29,17.6 arc(53,17.4) v1(54.04,17.13) ; v1(196.02,51.88) arc(196.08,52.57) 196.15,53.65 ; v1(56.54,135.63) arc(55.85,135.63) 54.77,135.6 ; v1(172.16,18.95) arc(172.79,19.23) 173.77,19.7 ; v1(55.81,16.72) arc(56.54,16.57) 57.6,16.38 ; v1(131.12,95.63) arc(129.87,95.65) 128.9,95.69 ; v1(178.39,22.35) arc(178.96,22.74) v1(179.85,23.37) ; v1(17.18,55.78) arc(17.33,55.06) 17.57,54.01 ; v1(181.26,24.45) arc(181.79,24.89) v1(182.62,25.6) ; v1(192.23,38.25) arc(192.52,38.88) v1(192.96,39.87) ; v1(23.88,39) arc(24.28,38.37) 24.88,37.48 ; v1(113.73,98.8) arc(112.46,99.29) 111.66,99.63 ; v1(192.4,72.64) arc(192.1,73.26) 191.61,74.23 ; v1(52.99,135.5) arc(52.31,135.44) 51.23,135.32 ; v1(193.63,41.52) arc(193.86,42.17) 194.22,43.19 ; v1(194.73,44.9) arc(194.91,45.56) v1(195.17,46.62) ; 30.36,126.16 arc(29.84,125.71) v1(29.03,124.99) ; v1(193.77,69.36) arc(193.53,70.01) 193.12,71.02 ; 27.75,123.75 arc(27.27,123.26) v1(26.53,122.46) ; v1(117.95,97.43) arc(116.65,97.81) 115.82,98.07 ; v1(126.68,95.84) arc(125.33,95.98) 124.48,96.09 ; v1(33.3,27.98) arc(33.86,27.5) v1(34.69,26.81) ; v1(165.42,16.71) arc(166.09,16.87) v1(167.14,17.16) ; v1(42.6,133.25) arc(41.95,133.01) 40.94,132.61 ; v1(70.44,133.01) arc(69.8,133.25) 68.77,133.6 ; v1(169.22,93.45) arc(168.57,93.67) 167.53,93.99 ; 109.64,100.54 arc(108.42,101.14) 107.66,101.55 ; v1(63.01,15.73) arc(63.75,15.69) v1(64.83,15.65) ; v1(181.57,86.55) arc(181.04,86.99) v1(180.17,87.65)
  Bottom w0.2: U3.1 59.34,64.03 60.32,65 60.32,69.58 58.24,71.66 47.83,71.66 47.57,71.4 C10.1 44.55,71.4 43.5,72.45 17.81,72.45 17.53,72.73 16.2,72.73 ; 16.25,74.75 16.65,74.75 18.12,73.28 42.57,73.28 NT2.2
/A_IN1: length 22.4
  In2.Cu w0.2: v1(92.16,67.89) 92.16,75.79 v1(91.16,76.79)
  Bottom w0.2: v1(91.16,76.79) 84.86,76.79 84.35,76.28 U5.4 ; v1(92.16,67.89) 92.16,67.39 92.95,66.6 U1.32
/A_IN2: length 14.9
  Bottom w0.2: U1.31 86.25,66.1 84.35,68 U5.5
/B_IN1: length 46.7
  Bottom w0.2: U3.4 58.24,60.22 60.66,57.79 88.26,57.79 88.56,58.09 88.56,64.69 89.47,65.6 U1.30
/B_IN2: length 59.7
  In2.Cu w0.2: v1(61.36,56.29) 51.06,56.29 49.96,57.39 v1(49.96,60.19)
  Bottom w0.2: v1(49.96,60.19) 49.99,60.22 U3.5 ; v1(61.36,56.29) 62.46,57.39 88.66,57.39 89.06,57.79 89.06,64.29 89.87,65.1 U1.29
/FWD1: length 55.6
  Top w0.2: 92.25,40.25 v1(91.35,39.35) 91.35,39.45 91.6,39.7
  In1.Cu w0.2: v1(90.96,57.09) 91.84,56.21 v1(91.84,52.52)
  Bottom w0.2: v1(90.96,57.09) 90.96,62.89 91.67,63.6 92.22,63.6 ; v1(91.35,39.35) 91.35,37.71 90.82,37.18 54.07,37.18 53.55,37.7 53.55,39.3 v1(53.6,39.35)
/FWD2: length 29.1
  In2.Cu w0.2: v1(104.6,56.38) 104.6,55.75 104.15,55.3 80.1,55.3 79.12,54.32 v1(79.12,52.78)
  Bottom w0.2: 104.6,57.22 v1(104.6,56.38)
/FWD3: length 37.7
  Bottom w0.2: v1(65.86,52.83) 66,52.97 66,54.53 67.36,55.89 94.06,55.89 96.2,58.03 96.2,58.05 99.4,58.05 100.1,57.35 100.1,57.22
/G1_N: length 16.8
  Bottom w0.2: L3.1 69.53,84.12 72.76,80.89 72.76,80.79 73.37,80.18 74.98,80.18 75.44,80.63 U4.7
/G1_P: length 1203.5
  Top w0.2: v1(4.91,82.25) 5.23,82.25 5.47,82.49 6.69,82.49 7.58,81.6 ; v1(17.82,80.73) 17.82,80.87 17.09,81.6 14.83,81.6 ; v1(4.9,83.19) 6.87,83.19 7.58,83.9 ; v1(17.9,83.7) 15.03,83.7
  Top w1.25: 7.57,83.72 7.57,95.63 arc(7.57,95.67) 7.57,95.73 arc(7.62,97.72) 7.77,100.04 arc(8,102.02) 8.36,104.32 arc(8.75,106.27) 9.32,108.53 arc(9.88,110.44) 10.65,112.64 arc(11.38,114.49) 12.34,116.62 arc(13.23,118.4) 14.37,120.43 arc(15.42,122.12) 16.74,124.04 arc(17.93,125.63) 19.42,127.43 arc(20.75,128.91) 22.38,130.57 arc(23.84,131.93) 25.62,133.44 arc(27.19,134.66) 29.1,136 arc(30.77,137.08) 32.79,138.25 arc(34.55,139.17) 36.66,140.16 arc(38.5,140.92) 40.69,141.72 arc(42.59,142.31) 44.84,142.91 arc(46.78,143.34) 49.08,143.73 arc(51.06,143.98) 53.38,144.17 arc(55.37,144.25) 57.7,144.23 arc(59.69,144.13) 62.01,143.91 arc(63.98,143.63) 66.27,143.2 arc(68.21,142.75) 70.45,142.12 arc(72.34,141.5) 74.52,140.67 arc(76.35,139.88) 78.45,138.87 arc(80.2,137.92) 82.2,136.72 arc(83.85,135.62) 85.74,134.25 arc(87.3,133.01) 89.05,131.48 arc(90.49,130.1) 92.1,128.42 arc(93.41,126.92) 94.87,125.1 98.34,120.55 arc(99.04,119.66) 99.65,118.92 arc(100.97,117.43) 102.15,116.22 arc(103.59,114.86) 104.87,113.76 arc(106.43,112.52) 107.8,111.54 arc(109.47,110.45) 110.92,109.59 arc(112.68,108.66) 114.2,107.93 arc(116.03,107.16) 117.61,106.57 arc(119.51,105.96) 121.13,105.51 arc(123.07,105.07) 124.73,104.77 arc(126.71,104.51) 128.39,104.35 arc(129.93,104.28) 131.25,104.25 156.2,104.25 arc(158.15,104.22) 160.44,104.07 arc(162.42,103.86) 164.72,103.5 arc(166.67,103.11) 168.94,102.56 arc(170.84,102) 173.05,101.24 arc(174.9,100.51) 177.03,99.57 arc(178.81,98.68) 180.85,97.54 arc(182.54,96.5) 184.47,95.19 arc(186.07,94) 187.87,92.52 arc(189.35,91.2) 191.02,89.57 arc(192.38,88.12) 193.9,86.34 arc(195.12,84.78) 196.47,82.88 arc(197.55,81.21) 198.73,79.19 arc(199.66,77.44) 200.66,75.33 arc(201.42,73.49) 202.23,71.3 arc(202.83,69.41) 203.44,67.16 arc(203.87,65.21) 204.27,62.92 arc(204.53,60.95) 204.73,58.62 arc(204.81,56.63) 204.81,54.3 arc(204.71,52.32) 204.5,49.99 arc(204.22,48.02) 203.81,45.73 arc(203.36,43.79) 202.74,41.54 arc(202.12,39.65) 201.3,37.47 arc(200.52,35.64) 199.51,33.54 arc(198.57,31.78) 197.38,29.78 arc(196.29,28.12) 194.93,26.23 arc(193.69,24.67) 192.16,22.91 arc(190.8,21.46) 189.12,19.84 arc(187.63,18.53) 185.81,17.06 arc(184.21,15.88) 182.27,14.59 arc(180.57,13.55) 178.53,12.43 arc(176.74,11.56) 174.6,10.62 arc(172.75,9.91) 170.54,9.17 arc(168.62,8.62) 166.36,8.08 arc(164.4,7.7) 162.1,7.36 arc(160.12,7.16) 157.79,7.03 arc(157.06,7.01) 156.2,7 66.2,7 arc(65.95,7.01) 65.66,7.01 arc(63.66,7.06) 61.4,7.2 arc(59.42,7.4) 57.17,7.7 arc(55.2,8.05) 52.98,8.51 arc(51.05,9) 48.87,9.62 arc(46.98,10.25) 44.85,11.03 arc(43,11.79) 40.94,12.73 arc(39.15,13.62) 37.16,14.7 arc(35.45,15.72) 33.54,16.95 arc(31.9,18.08) 30.09,19.45 arc(28.54,20.7) 26.83,22.19 arc(25.37,23.56) 23.77,25.17 arc(22.42,26.63) 20.95,28.36 arc(19.71,29.92) 18.36,31.74 arc(17.24,33.39) 16.02,35.31 arc(15.02,37.03) 13.95,39.03 arc(13.08,40.82) 12.16,42.9 arc(11.42,44.75) 10.65,46.89 arc(10.05,48.78) 9.44,50.97 arc(8.97,52.91) 8.52,55.13 arc(8.2,57.1) 7.91,59.35 arc(7.73,61.34) 7.61,63.6 arc(7.58,64.55) 7.57,65.63 7.57,81.59 ; 14.82,81.59 14.82,65.63 arc(14.83,64.8) 14.85,63.85 arc(14.94,62.11) 15.12,60.13 arc(15.34,58.4) 15.65,56.43 arc(15.99,54.72) 16.46,52.78 arc(16.92,51.1) 17.52,49.2 arc(18.11,47.56) 18.84,45.71 arc(19.55,44.12) 20.41,42.32 arc(21.23,40.78) 22.23,39.06 arc(23.16,37.58) 24.28,35.93 arc(25.31,34.53) 26.54,32.97 arc(27.67,31.64) 29.02,30.17 arc(30.25,28.93) 31.7,27.57 arc(33.01,26.42) 34.55,25.16 arc(35.94,24.11) 37.58,22.97 arc(39.04,22.02) 40.75,21 arc(42.28,20.16) 44.06,19.27 arc(45.65,18.55) 47.49,17.78 arc(49.12,17.18) 51.01,16.55 arc(52.69,16.06) 54.62,15.58 arc(56.32,15.21) 58.28,14.87 arc(60.01,14.63) 61.99,14.43 arc(63.73,14.31) 65.72,14.26 arc(65.95,14.26) 66.2,14.25 156.2,14.25 arc(156.82,14.26) 157.55,14.28 arc(159.24,14.37) 161.22,14.56 arc(162.89,14.8) 164.84,15.17 arc(166.49,15.55) 168.4,16.09 arc(170,16.63) 171.86,17.33 arc(173.41,18) 175.2,18.87 arc(176.68,19.68) 178.38,20.71 arc(179.79,21.64) 181.4,22.81 arc(182.71,23.87) 184.21,25.18 arc(185.43,26.35) 186.8,27.78 arc(187.91,29.06) 189.15,30.61 arc(190.15,31.98) 191.24,33.63 arc(192.11,35.08) 193.06,36.83 arc(193.79,38.35) 194.58,40.18 arc(195.18,41.76) 195.8,43.64 arc(196.26,45.27) 196.71,47.21 arc(197.02,48.87) 197.29,50.83 arc(197.46,52.51) 197.56,54.5 arc(197.57,56.19) 197.5,58.18 arc(197.36,59.86) 197.11,61.83 arc(196.82,63.49) 196.39,65.44 arc(195.96,67.07) 195.37,68.97 arc(194.79,70.55) 194.03,72.39 arc(193.31,73.92) 192.39,75.68 arc(191.54,77.14) 190.47,78.81 arc(189.49,80.19) 188.27,81.76 arc(187.18,83.05) 185.83,84.51 arc(184.63,85.69) 183.15,87.02 arc(181.85,88.1) 180.26,89.29 arc(178.86,90.25) 177.17,91.29 arc(175.7,92.12) 173.93,93.02 arc(172.39,93.71) 170.54,94.44 arc(168.94,94.99) 167.04,95.56 arc(165.4,95.97) 163.45,96.36 arc(161.78,96.63) 159.81,96.85 arc(158.15,96.96) 156.2,97 131.25,97 arc(129.43,97.04) 127.89,97.12 arc(125.56,97.34) 123.59,97.61 arc(121.3,98.03) 119.36,98.48 arc(117.12,99.1) 115.22,99.72 arc(113.04,100.54) 111.21,101.33 arc(109.11,102.34) 107.36,103.28 arc(105.36,104.47) 103.7,105.57 arc(101.81,106.93) 100.25,108.17 arc(98.49,109.7) 97.05,111.07 arc(95.43,112.75) 94.11,114.24 arc(93.27,115.27) 92.58,116.16 89.11,120.71 arc(88.06,122.03) 86.75,123.53 arc(85.59,124.75) 84.15,126.13 arc(82.89,127.25) 81.34,128.49 arc(79.97,129.49) 78.32,130.6 arc(76.87,131.47) 75.13,132.42 arc(73.61,133.16) 71.79,133.96 arc(70.21,134.56) 68.33,135.19 arc(66.7,135.65) 64.77,136.11 arc(63.11,136.42) 61.14,136.71 arc(59.46,136.88) 57.48,136.99 arc(55.79,137) 53.8,136.94 arc(52.12,136.8) 50.14,136.56 arc(48.48,136.28) 46.53,135.86 arc(44.9,135.43) 43,134.84 arc(41.41,134.27) 39.57,133.52 arc(38.04,132.81) 36.28,131.89 arc(34.81,131.05) 33.14,129.98 arc(31.75,129.01) 30.18,127.8 arc(28.89,126.71) 27.43,125.36 arc(26.24,124.16) 24.9,122.69 arc(23.82,121.39) 22.62,119.81 arc(21.66,118.42) 20.61,116.73 arc(19.78,115.26) 18.88,113.49 arc(18.18,111.95) 17.44,110.11 arc(16.88,108.51) 16.31,106.61 arc(15.89,104.97) 15.49,103.03 arc(15.22,101.36) 14.99,99.38 arc(14.88,97.7) 14.82,95.71 arc(14.82,95.67) 14.82,95.63 14.82,83.72
  In2.Cu w0.2: 14.83,81.6 14.83,80.47 15.46,79.84 17.2,79.84 17.82,80.46 v1(17.82,80.73) ; v1(4.91,82.25) 5.23,82.25 5.48,82.5 6.68,82.5 7.58,81.6
  In2.Cu w1.25: 14.83,81.6 7.58,81.6
  Bottom w0.2: 7.5,81.6 5.91,83.19 v1(4.9,83.19) ; 14.8,81.6 24.05,81.6 33.8,91.35 C9.1 54.55,90.55 66.9,90.55 68.25,91.9 73.5,91.9 74.19,91.21 74.19,87.32 U4.1 ; v1(17.9,83.7) 25.05,83.7 33.35,92 49.7,92 NT5.2
  Bottom w1.25: 14.8,81.6 7.5,81.6
